# Altium PCB VAMoS Rev C.PcbDoc (part 1 of 2)
Units mm, origin at the board's own origin, x right, y up, seen from the top; angles counter-clockwise.
Board outline 72.16 x 90.81 mm, 4 copper layers (Top Signal Layer, Power Plane, Ground Plane, Bottom Signal Layer), stack 1.554 mm thick; 228 components, 106 nets, 614 pads, 749 vias.
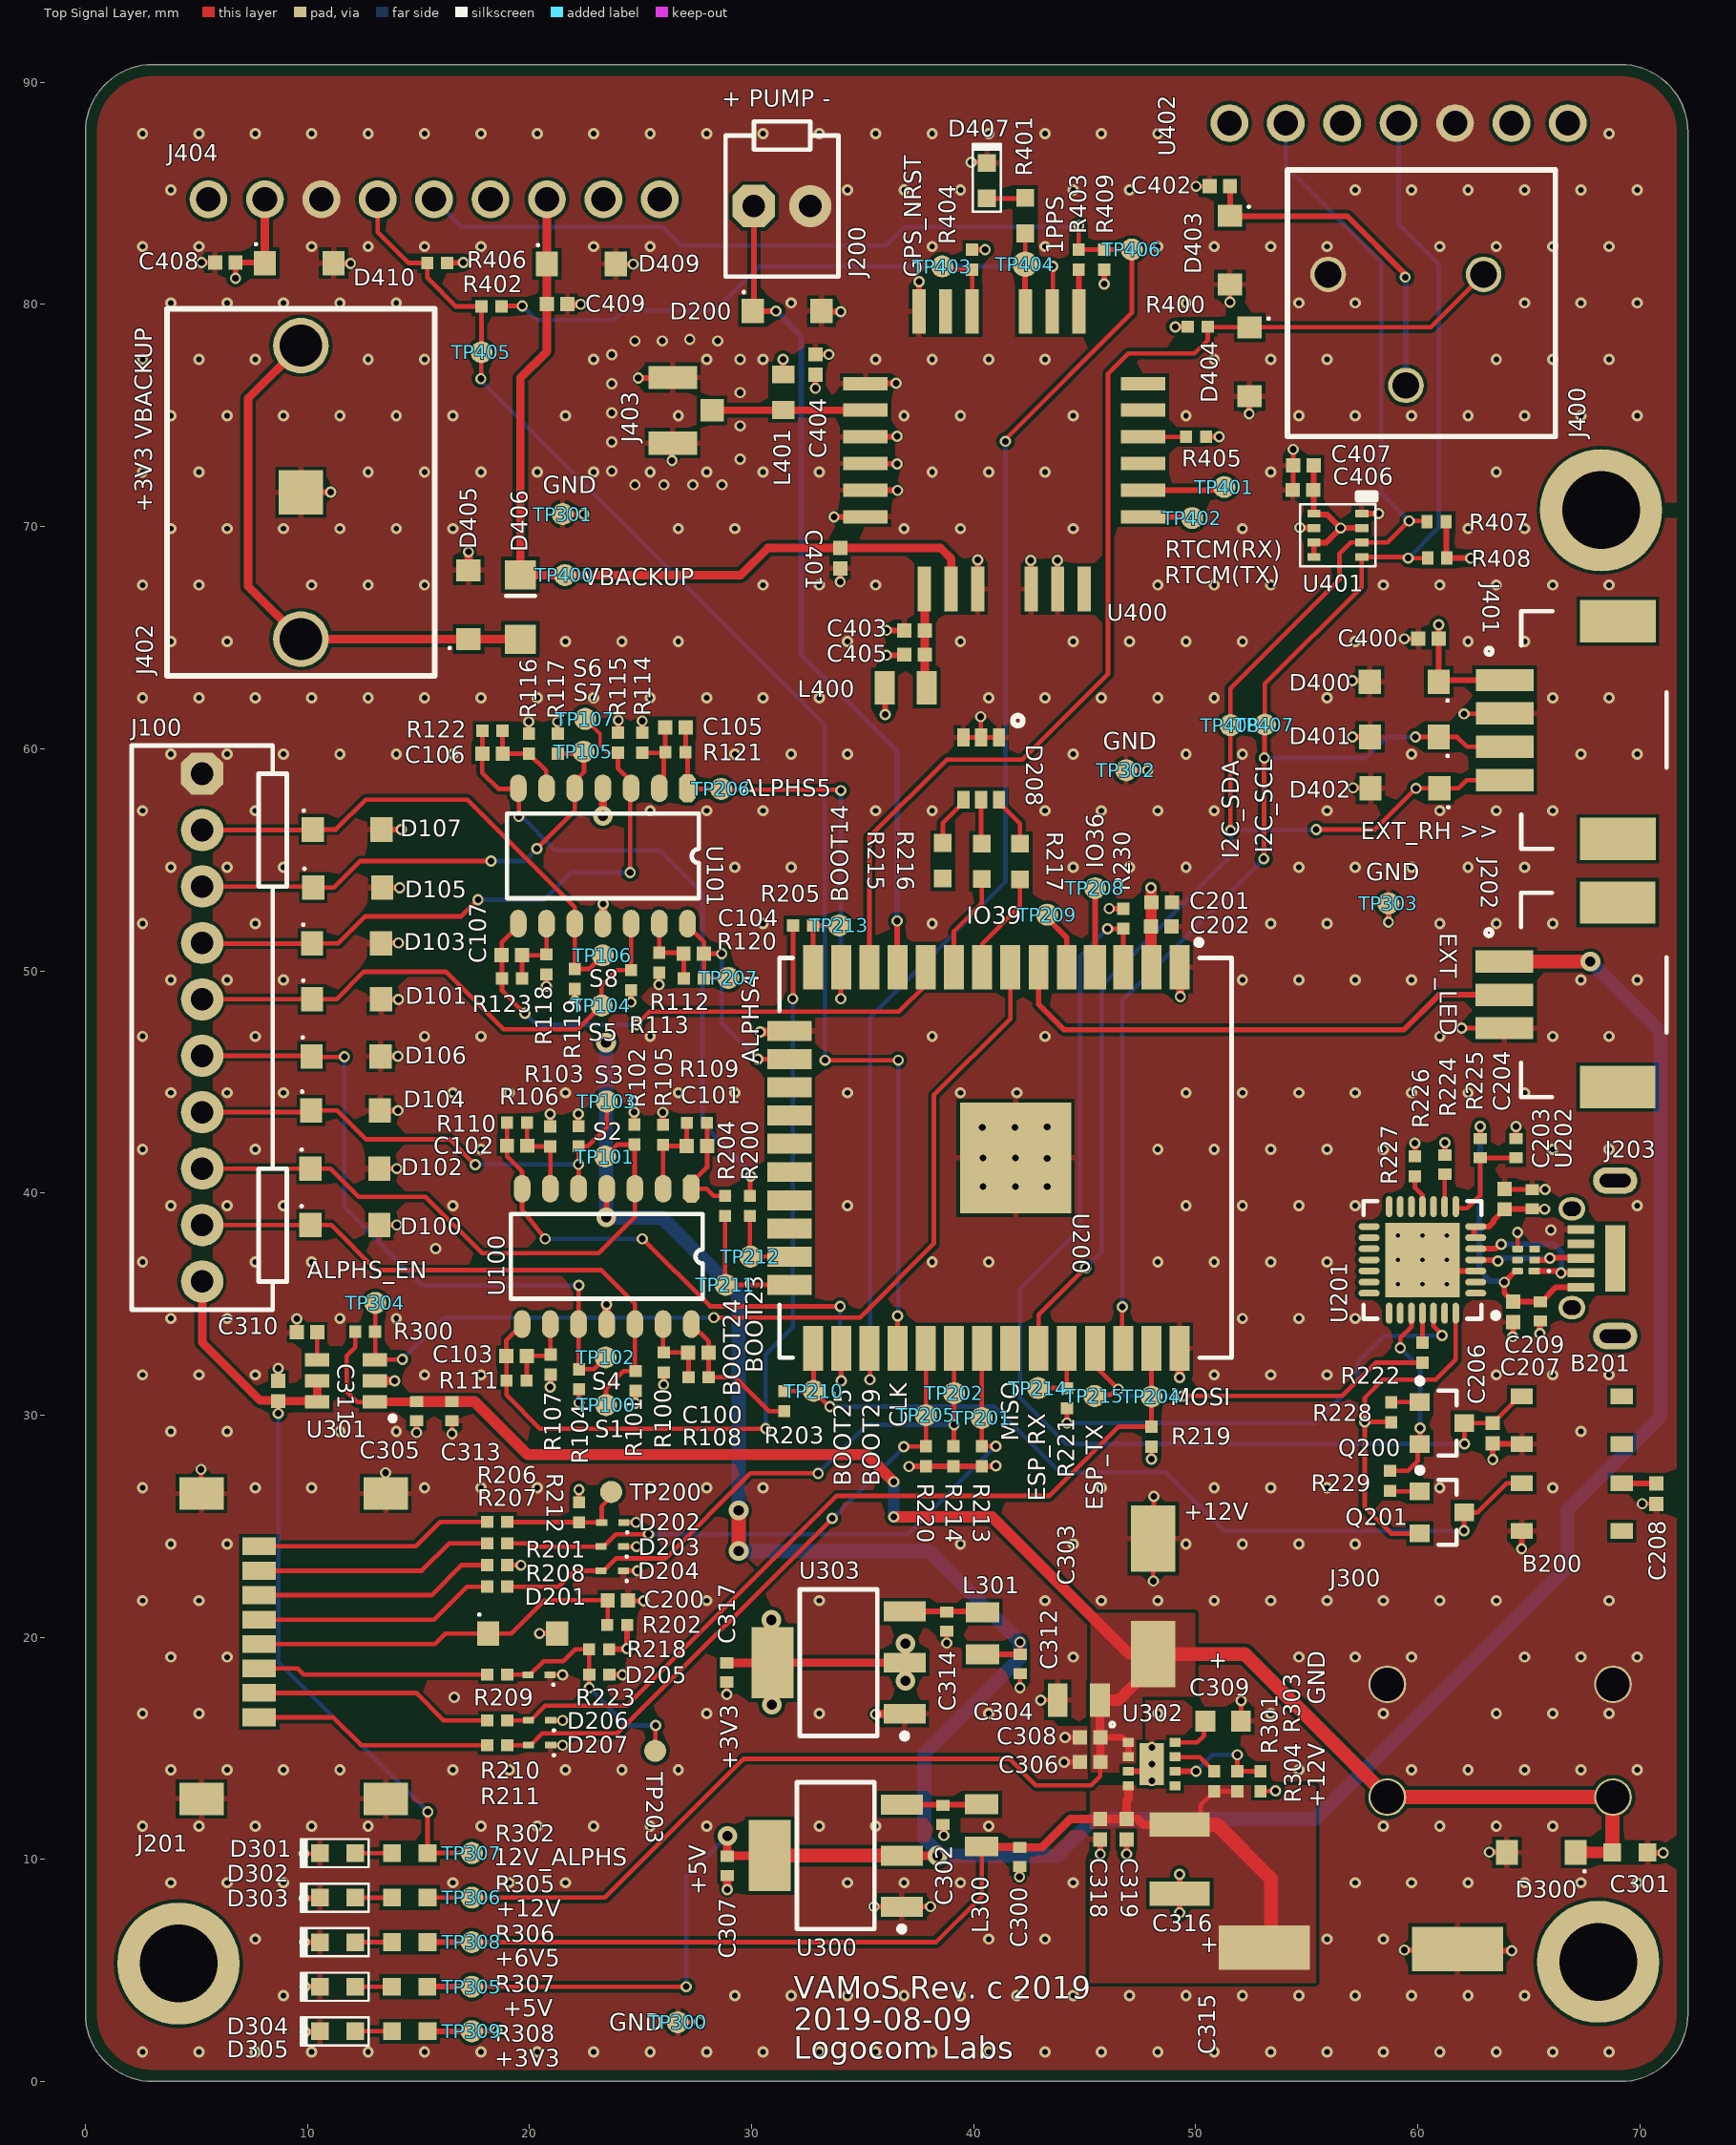
[diagram p0: Top Signal Layer view]
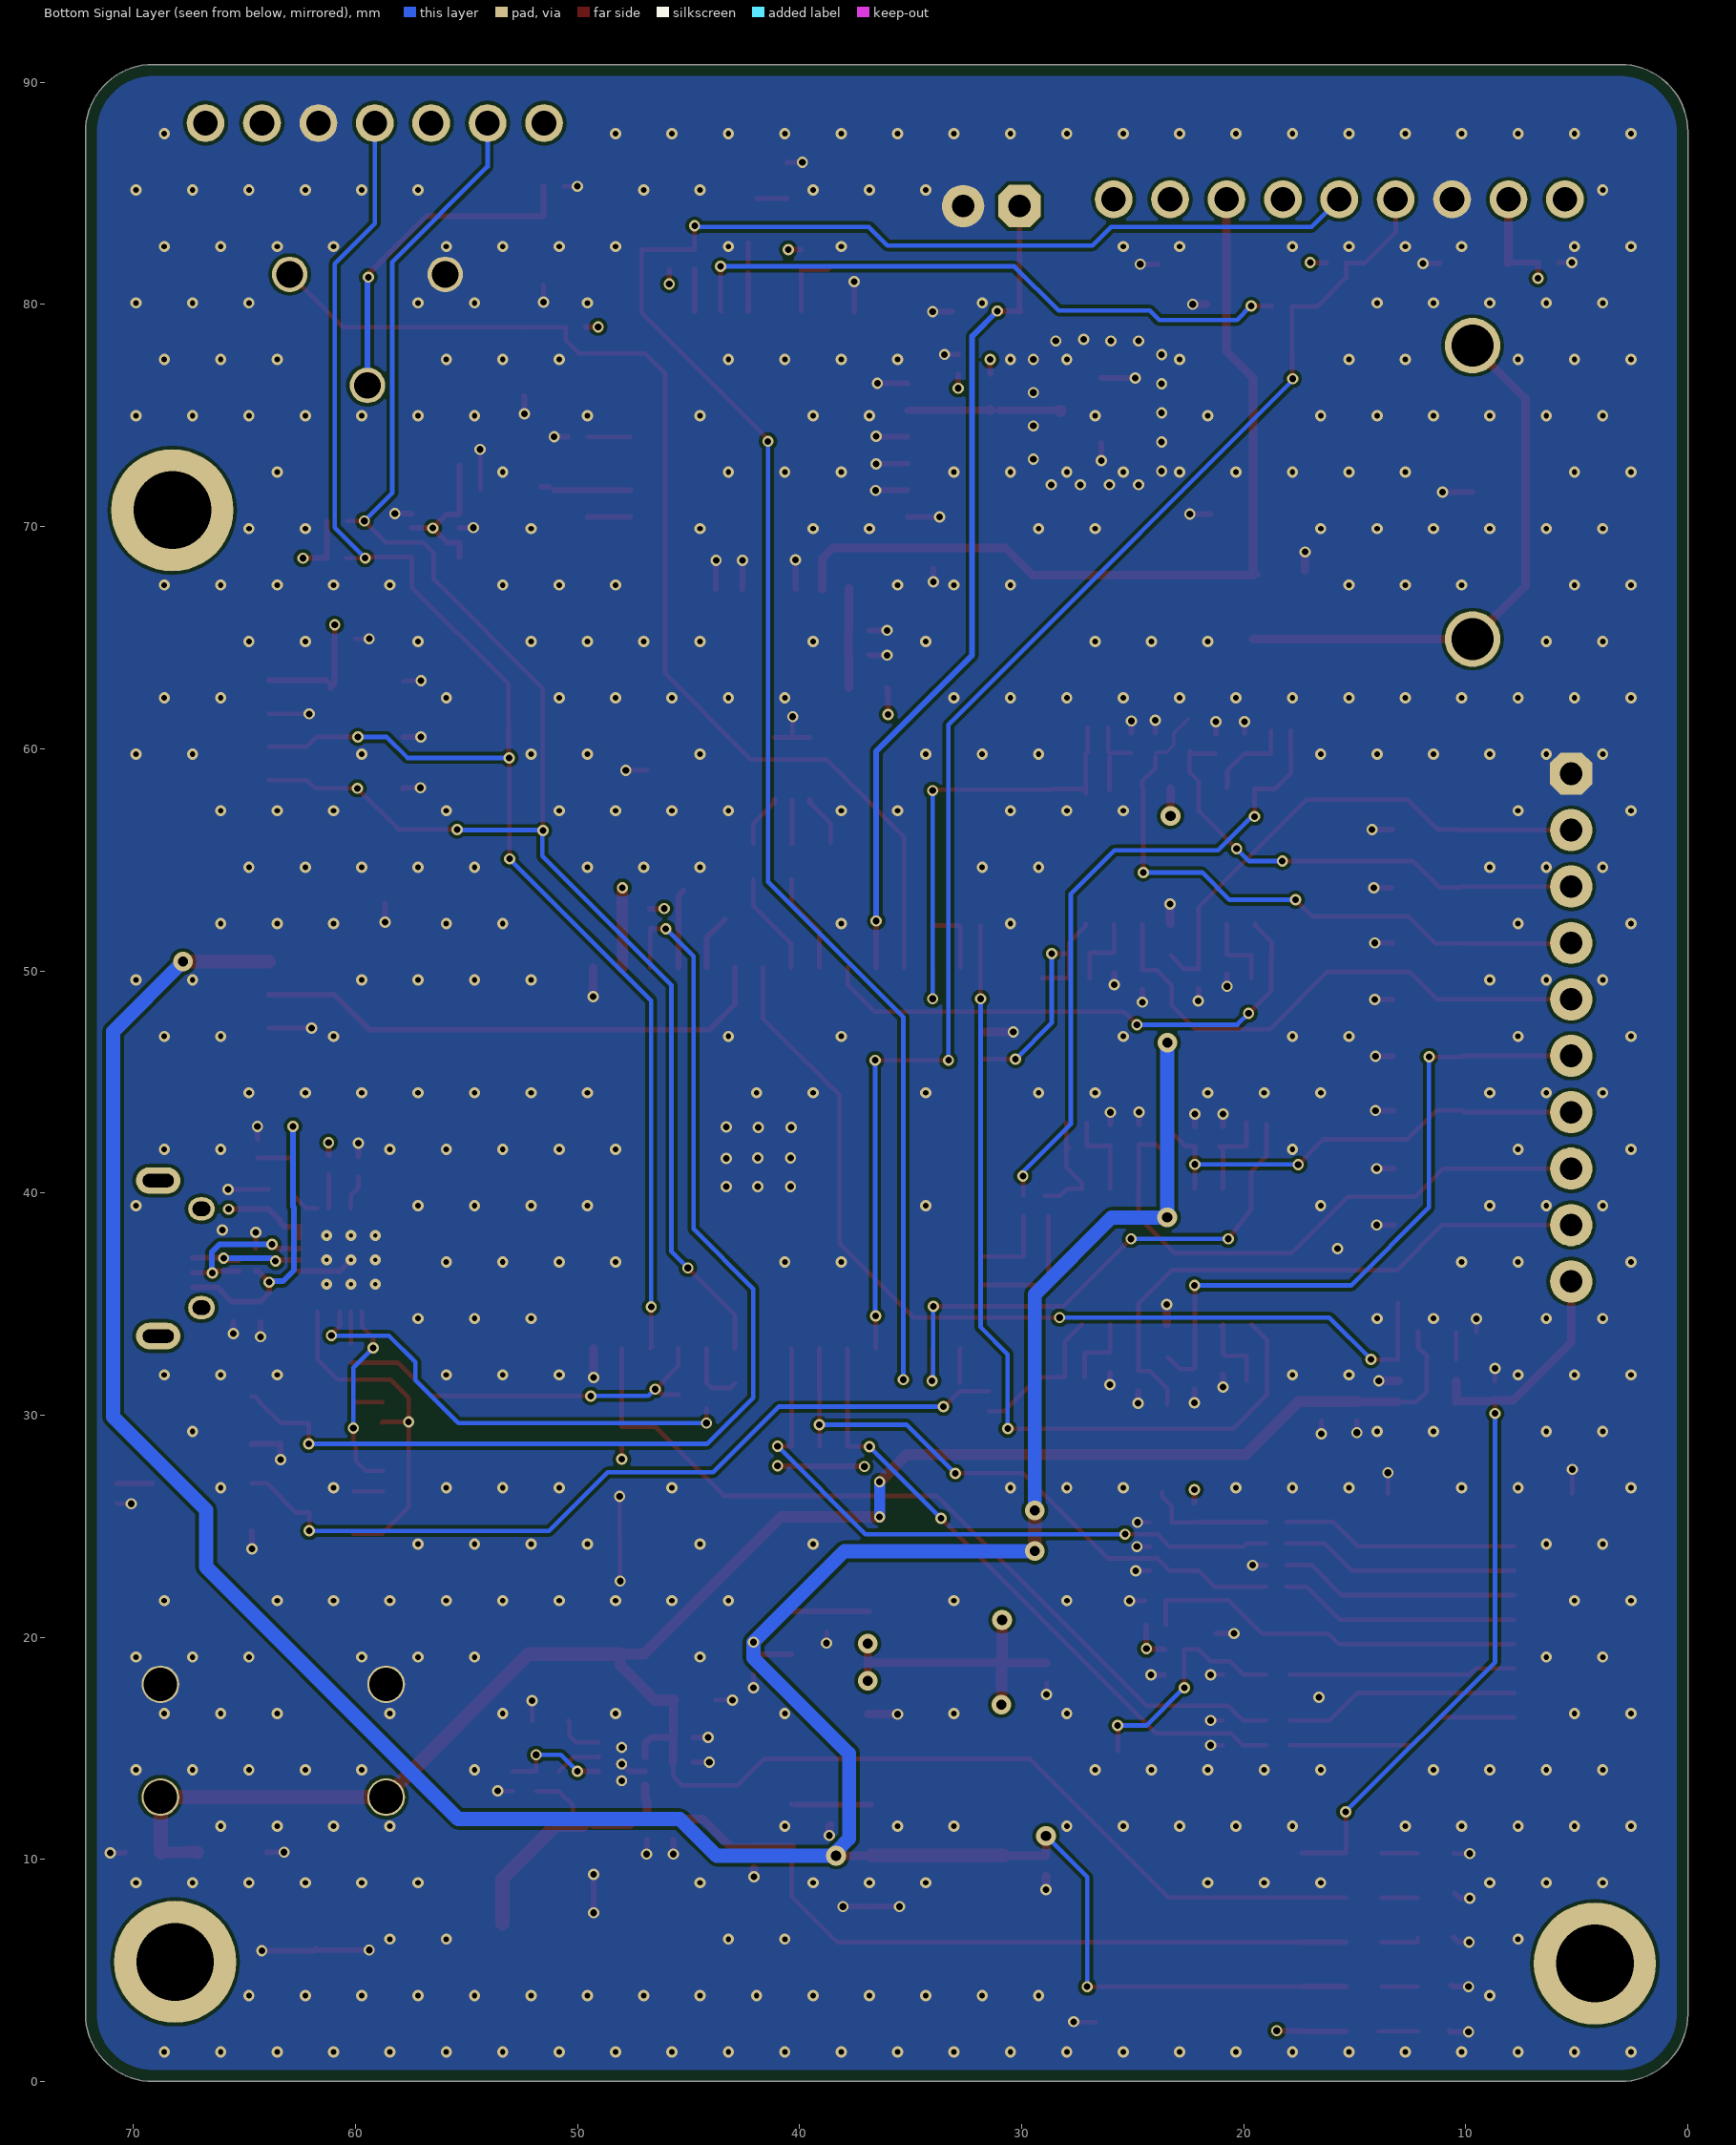
[diagram p1: Bottom Signal Layer view, seen from below]
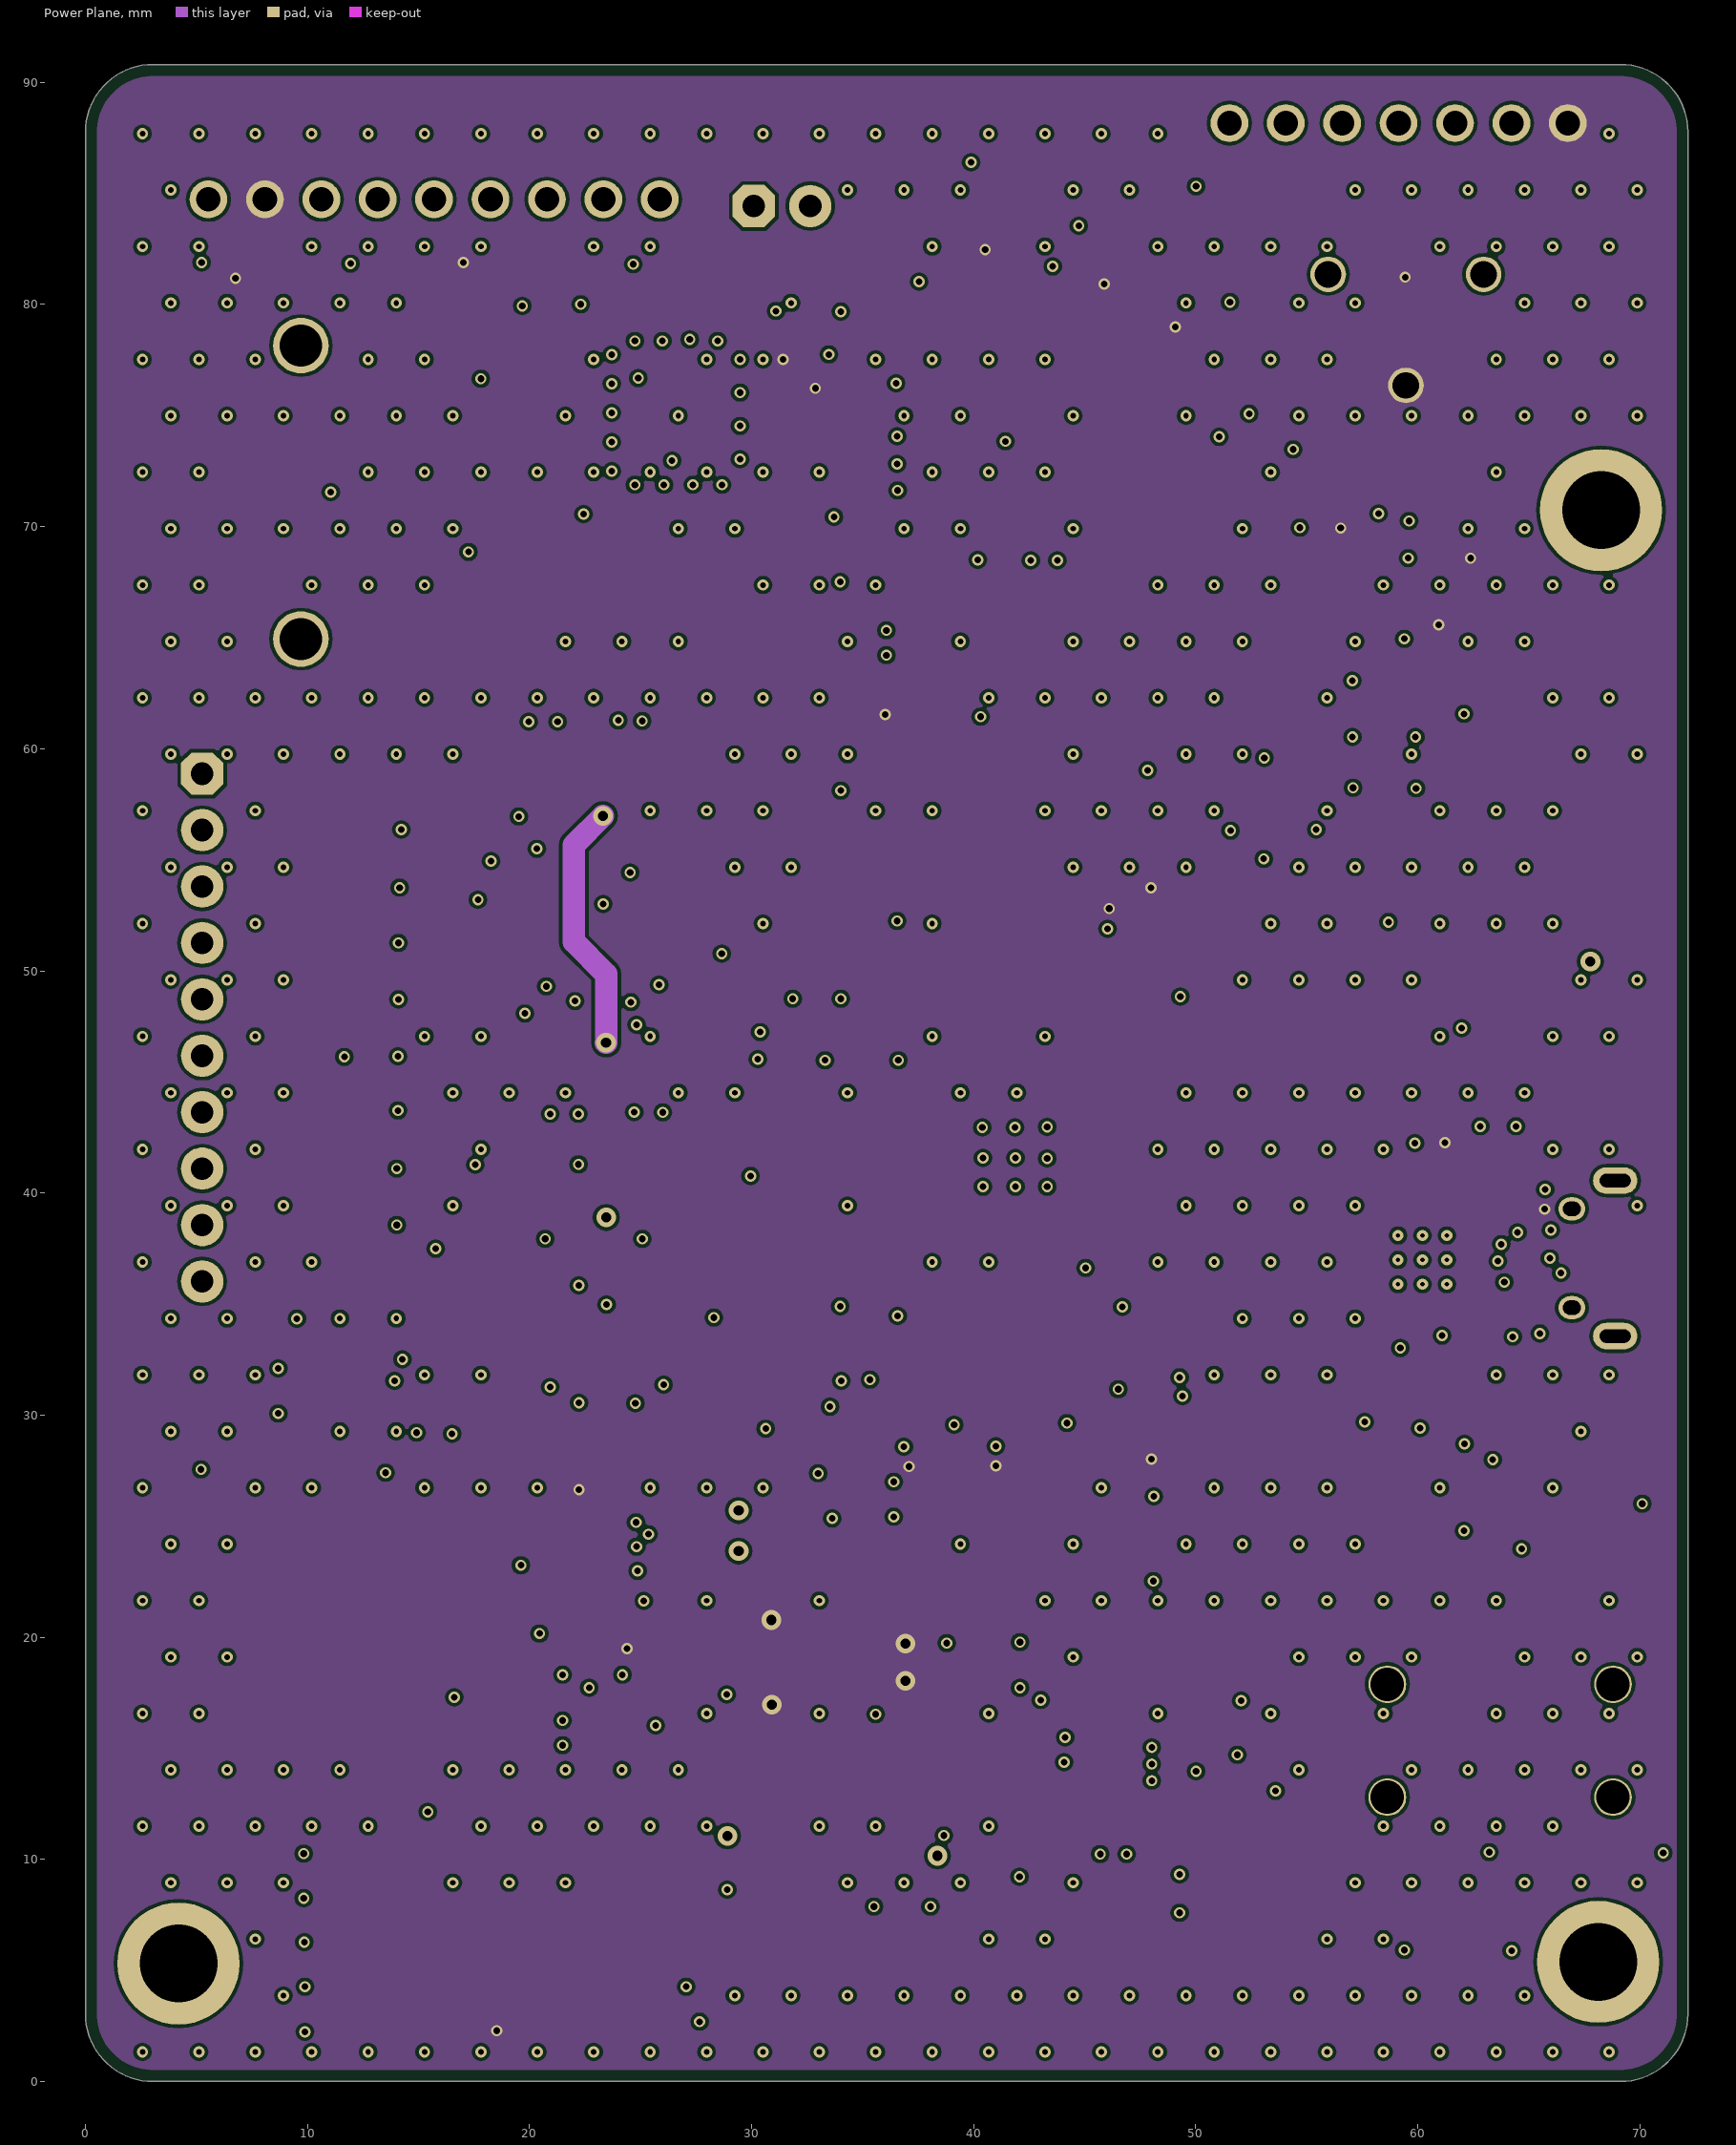
[diagram p2: Power Plane]